# Altium PCB FMC_ADC_130M_16B_4CH.PcbDoc (part 2 of 8)
Units mil, origin at the board's own origin, x right, y up, seen from the top; angles counter-clockwise.
Board outline 3023 x 2716.54 mil, 8 copper layers (Top Layer, GND1, L3, GND2, L5, GND3, POWER, Bottom Layer), stack 52.323 mil thick; 406 components, 449 nets, 2146 pads, 1659 vias.
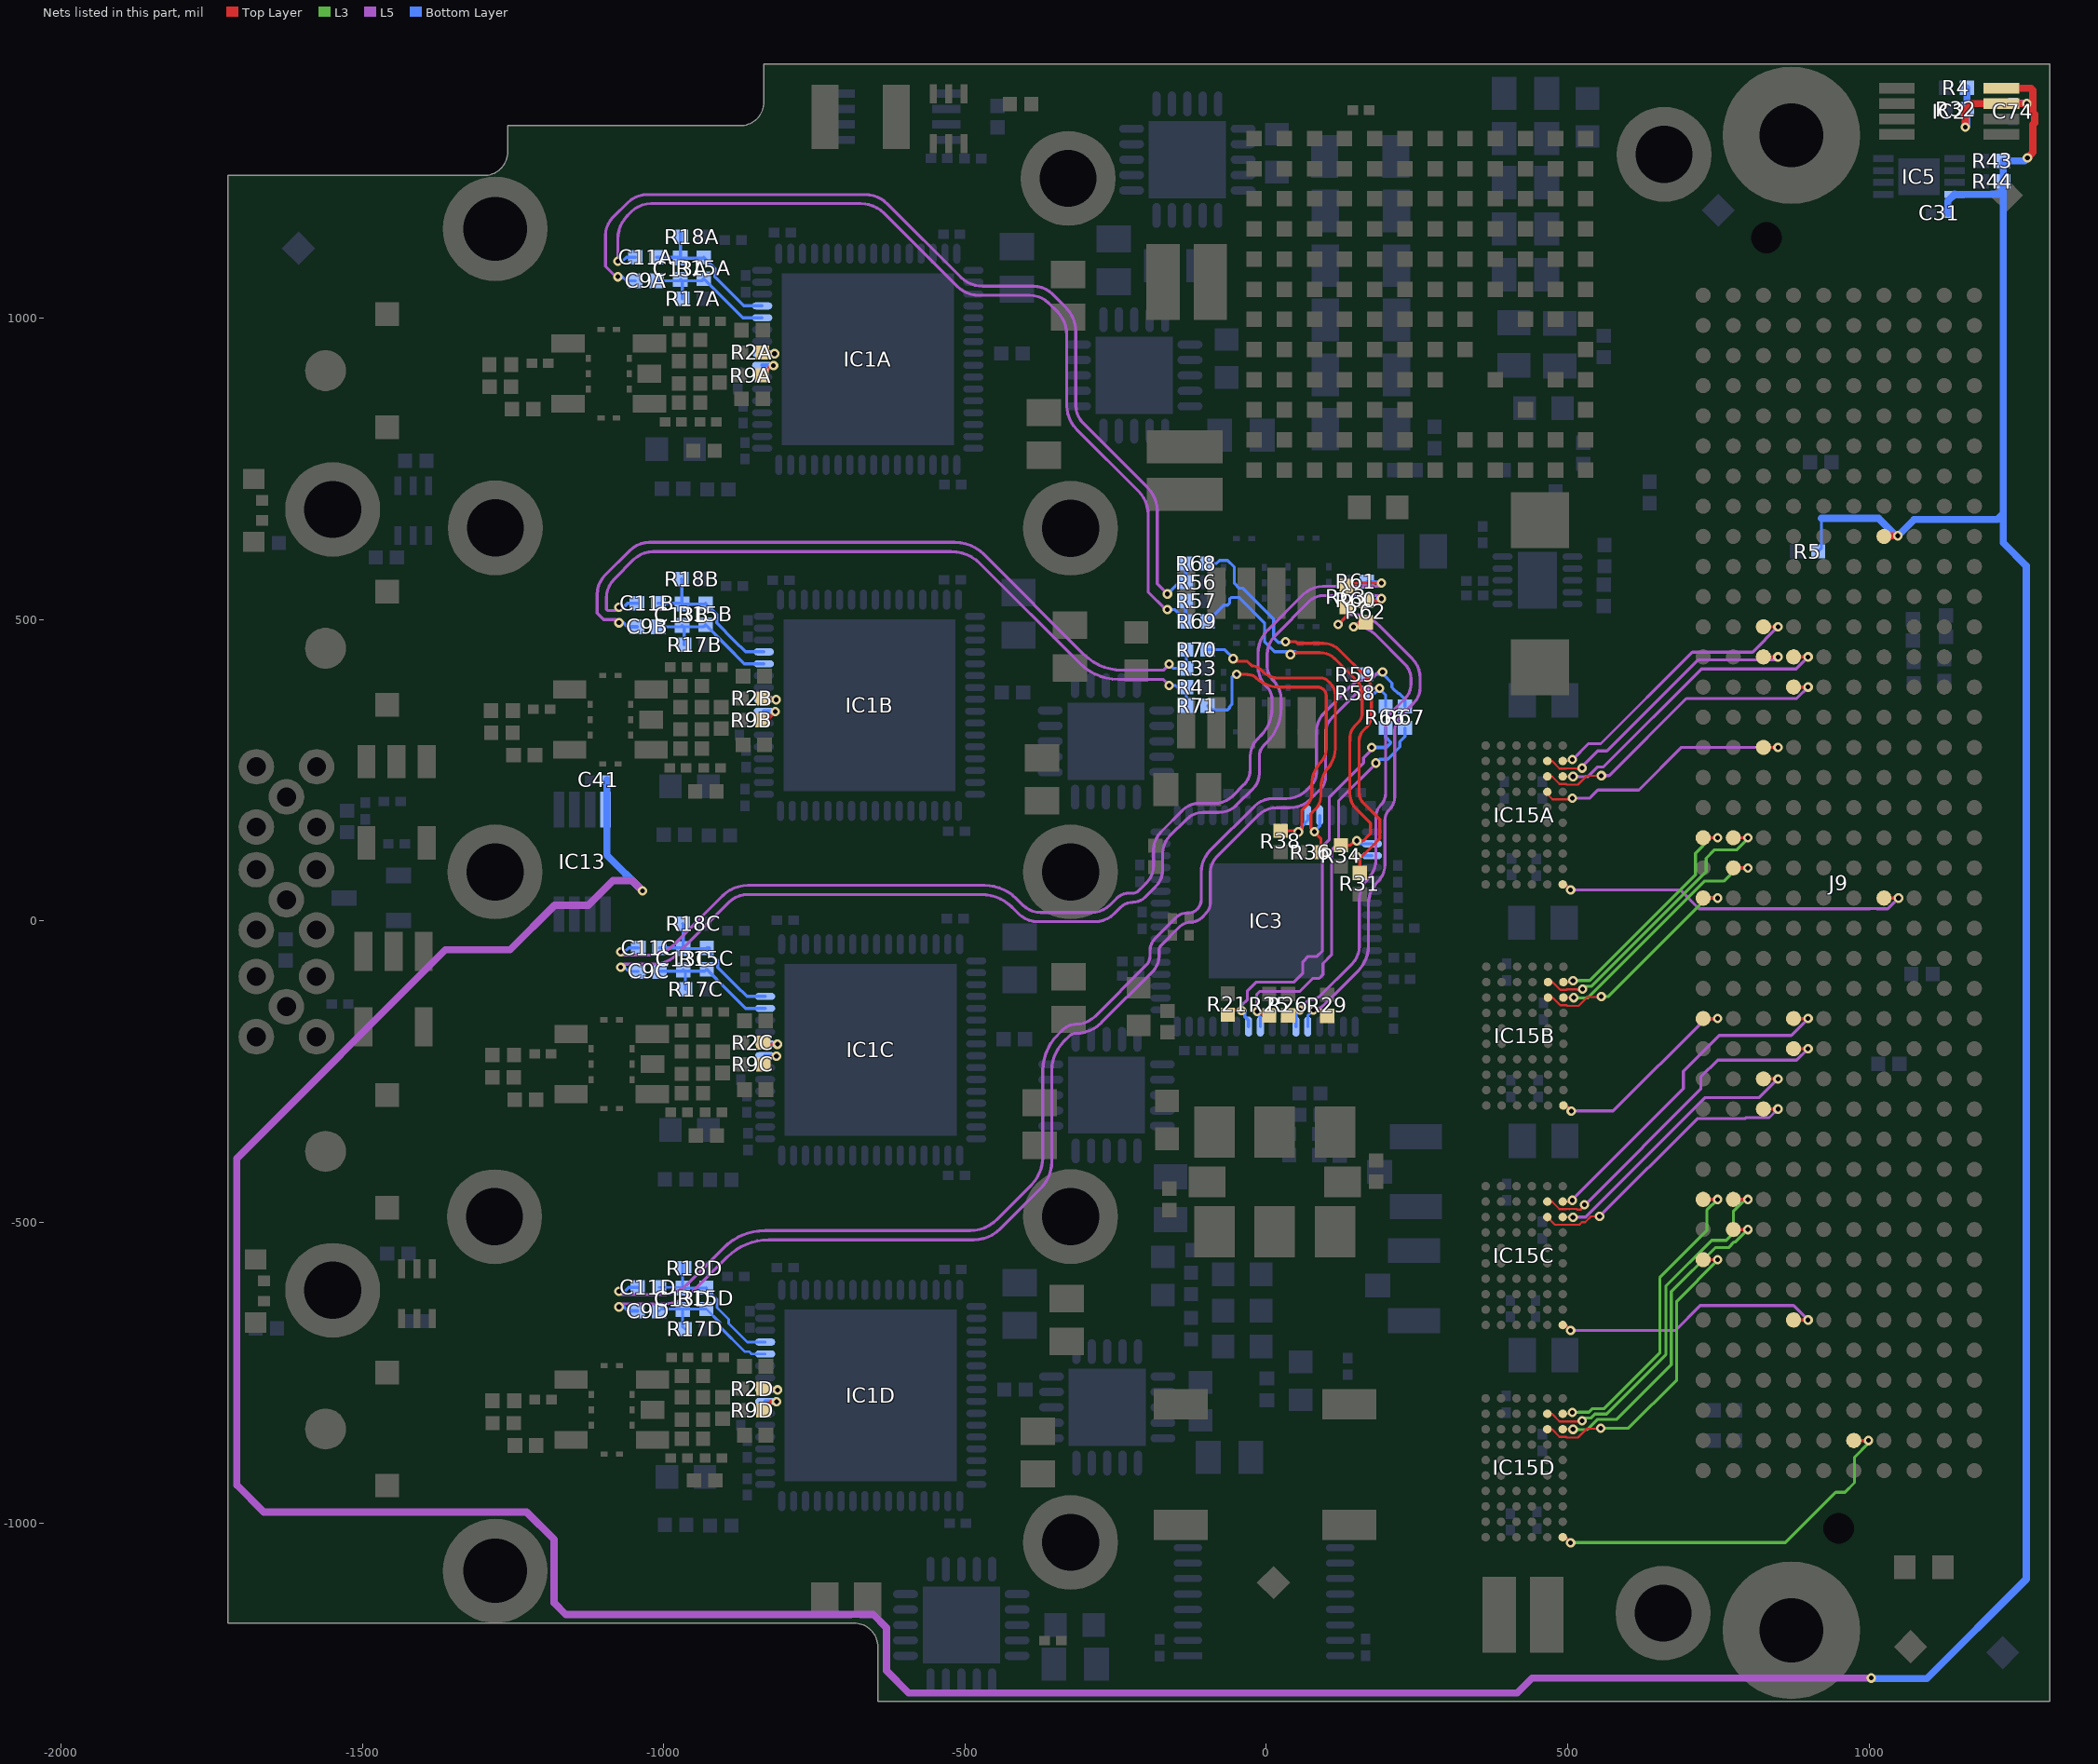
[diagram p8: the nets of this part, all layers, seen from the top]

## Footprints (in the part's own frame and the unit in brackets; to place one, negate y for a bottom-side part, rotate by r counter-clockwise, add the part's x,y. Pads: shape width x height; smd on the part's side, far side on the other; paste and mask are expansions set on the pad) (continued)
QFN50P900X900X100-65N-S485 [mm] "QFN, 0.50mm Pitch, Square; 64 Pin, 9.00mm L X 9.00mm W X 1.00mm H Body (4.85 X 4.85mm Thermal Tab), IPC Medium Density"
  oval 0.85x0.3 smd mask+0.05: 1(4.45,-3.75) 2(4.45,-3.25) 3(4.45,-2.75) 4(4.45,-2.25) 5(4.45,-1.75) 6(4.45,-1.25) 7(4.45,-0.75) 8(4.45,-0.25) 9(4.45,0.25) 10(4.45,0.75) 11(4.45,1.25) 12(4.45,1.75) 13(4.45,2.25) 14(4.45,2.75) 15(4.45,3.25) 16(4.45,3.75) 33(-4.45,3.75) 34(-4.45,3.25) 35(-4.45,2.75) 36(-4.45,2.25) 37(-4.45,1.75) 38(-4.45,1.25) 39(-4.45,0.75) 40(-4.45,0.25) 41(-4.45,-0.25) 42(-4.45,-0.75) 43(-4.45,-1.25) 44(-4.45,-1.75) 45(-4.45,-2.25) 46(-4.45,-2.75) 47(-4.45,-3.25) 48(-4.45,-3.75)
  oval 0.3x0.85 smd mask+0.05: 17(3.75,4.45) 18(3.25,4.45) 19(2.75,4.45) 20(2.25,4.45) 21(1.75,4.45) 22(1.25,4.45) 23(0.75,4.45) 24(0.25,4.45) 25(-0.25,4.45) 26(-0.75,4.45) 27(-1.25,4.45) 28(-1.75,4.45) 29(-2.25,4.45) 30(-2.75,4.45) 31(-3.25,4.45) 32(-3.75,4.45) 49(-3.75,-4.45) 50(-3.25,-4.45) 51(-2.75,-4.45) 52(-2.25,-4.45) 53(-1.75,-4.45) 54(-1.25,-4.45) 55(-0.75,-4.45) 56(-0.25,-4.45) 57(0.25,-4.45) 58(0.75,-4.45) 59(1.25,-4.45) 60(1.75,-4.45) 61(2.25,-4.45) 62(2.75,-4.45) 63(3.25,-4.45) 64(3.75,-4.45)
  rect 4.85x4.85 smd mask+0.05: 65(0,0)
  silkscreen extent -4.5,-4.5 5.57,4.5, body extent -4.5,-4.5 4.5,4.5, height 1
QFN65P500X500X100-21N-S325 [mm] "QFN, 0.65mm pitch,square; 20 pin, 5mm X 5mm X 1mm H body (w/thermal tab 3.25 X 3.25mm),  IPC Medium Density"
  oval 1.05x0.35 smd mask+0.05: 1(2.35,-1.3) 2(2.35,-0.65) 3(2.35,0) 4(2.35,0.65) 5(2.35,1.3) 11(-2.35,1.3) 12(-2.35,0.65) 13(-2.35,0) 14(-2.35,-0.65) 15(-2.35,-1.3)
  oval 0.35x1.05 smd mask+0.05: 6(1.3,2.35) 7(0.65,2.35) 8(0,2.35) 9(-0.65,2.35) 10(-1.3,2.35) 16(-1.3,-2.35) 17(-0.65,-2.35) 18(0,-2.35) 19(0.65,-2.35) 20(1.3,-2.35)
  rect 3.25x3.25 smd mask+0.05: 21(0,0)
  silkscreen extent -2.5,-2.5 3.57,2.5, body extent -2.58,-2.58 2.57,2.57, height 1
RESC1005X40N [mm] "Chip Resistor, EIA 0402, Metric 1005, Body 1.0x0.5mm, IPC Medium Density"
  rect 0.6x0.6 smd: 1(-0.45,0) 2(0.45,0)
  body extent -0.52,-0.27 0.53,0.28, height 0.4
RESC1608X55N [mm] "Chip Resistor, EIA 0603, Metric 1608, Body 1.6x0.8mm, IPC Medium Density"
  rect 0.9x1 smd: 1(-0.8,0) 2(0.8,0)
  silkscreen extent 0,-0.5 0,0.5, body extent -0.87,-0.47 0.88,0.48, height 0.55
RESC3225X70N [mm] "Chip Resistor, EIA 1210, Metric 3225, Body 3.2x2.5mm, IPC Medium Density"
  rect 1.15x2.7 smd: 1(-1.5,0) 2(1.5,0)
  silkscreen extent -0.55,-1.25 0.55,1.25, body extent -1.7,-1.35 1.7,1.35, height 0.7
SAMTEC_ASP-134488-01 [mm] "Connector VITA 57, 400 Male contacts in 10 row abcdefghj"
  round 1 hole 1.3 unplated mask+0.3: 1(-27.191,-3.048) 2(27.191,0)
  round 0.64 smd: a1(24.765,5.715) a2(23.495,5.715) a3(22.225,5.715) a4(20.955,5.715) a5(19.685,5.715) a6(18.415,5.715) a7(17.145,5.715) a8(15.875,5.715) a9(14.605,5.715) a10(13.335,5.715) a11(12.065,5.715) a12(10.795,5.715) a13(9.525,5.715) a14(8.255,5.715) a15(6.985,5.715) a16(5.715,5.715) a17(4.445,5.715) a18(3.175,5.715) a19(1.905,5.715) a20(0.635,5.715) a21(-0.635,5.715) a22(-1.905,5.715) a23(-3.175,5.715) a24(-4.445,5.715) a25(-5.715,5.715) a26(-6.985,5.715) a27(-8.255,5.715) a28(-9.525,5.715) a29(-10.795,5.715) a30(-12.065,5.715) a31(-13.335,5.715) a32(-14.605,5.715) a33(-15.875,5.715) a34(-17.145,5.715) a35(-18.415,5.715) a36(-19.685,5.715) a37(-20.955,5.715) a38(-22.225,5.715) a39(-23.495,5.715) a40(-24.765,5.715) b1(24.765,4.445) b2(23.495,4.445) b3(22.225,4.445) b4(20.955,4.445) b5(19.685,4.445) b6(18.415,4.445) b7(17.145,4.445) b8(15.875,4.445) b9(14.605,4.445) b10(13.335,4.445) b11(12.065,4.445) b12(10.795,4.445) b13(9.525,4.445) b14(8.255,4.445) b15(6.985,4.445) b16(5.715,4.445) b17(4.445,4.445) b18(3.175,4.445) b19(1.905,4.445) b20(0.635,4.445) b21(-0.635,4.445) b22(-1.905,4.445) b23(-3.175,4.445) b24(-4.445,4.445) b25(-5.715,4.445) b26(-6.985,4.445) b27(-8.255,4.445) b28(-9.525,4.445) b29(-10.795,4.445) b30(-12.065,4.445) b31(-13.335,4.445) b32(-14.605,4.445) b33(-15.875,4.445) b34(-17.145,4.445) b35(-18.415,4.445) b36(-19.685,4.445) b37(-20.955,4.445) b38(-22.225,4.445) b39(-23.495,4.445) b40(-24.765,4.445) c1(24.765,3.175) c2(23.495,3.175) c3(22.225,3.175) c4(20.955,3.175) c5(19.685,3.175) c6(18.415,3.175) c7(17.145,3.175) c8(15.875,3.175) c9(14.605,3.175) c10(13.335,3.175) c11(12.065,3.175) c12(10.795,3.175) c13(9.525,3.175) c14(8.255,3.175) c15(6.985,3.175) c16(5.715,3.175) c17(4.445,3.175) c18(3.175,3.175) c19(1.905,3.175) c20(0.635,3.175) c21(-0.635,3.175) c22(-1.905,3.175) c23(-3.175,3.175) c24(-4.445,3.175) c25(-5.715,3.175) c26(-6.985,3.175) c27(-8.255,3.175) c28(-9.525,3.175) c29(-10.795,3.175) c30(-12.065,3.175) c31(-13.335,3.175) c32(-14.605,3.175) c33(-15.875,3.175) c34(-17.145,3.175) c35(-18.415,3.175) c36(-19.685,3.175) c37(-20.955,3.175) c38(-22.225,3.175) c39(-23.495,3.175) c40(-24.765,3.175) d1(24.765,1.905) d2(23.495,1.905) d3(22.225,1.905) d4(20.955,1.905) d5(19.685,1.905) d6(18.415,1.905) d7(17.145,1.905) d8(15.875,1.905) d9(14.605,1.905) d10(13.335,1.905) d11(12.065,1.905) d12(10.795,1.905) d13(9.525,1.905) d14(8.255,1.905) d15(6.985,1.905) d16(5.715,1.905) d17(4.445,1.905) d18(3.175,1.905) d19(1.905,1.905) d20(0.635,1.905) d21(-0.635,1.905) d22(-1.905,1.905) d23(-3.175,1.905) d24(-4.445,1.905) d25(-5.715,1.905) d26(-6.985,1.905) d27(-8.255,1.905) d28(-9.525,1.905) d29(-10.795,1.905) d30(-12.065,1.905) d31(-13.335,1.905) d32(-14.605,1.905) d33(-15.875,1.905) d34(-17.145,1.905) d35(-18.415,1.905) d36(-19.685,1.905) d37(-20.955,1.905) d38(-22.225,1.905) d39(-23.495,1.905) d40(-24.765,1.905) e1(24.765,0.635) e2(23.495,0.635) e3(22.225,0.635) e4(20.955,0.635) e5(19.685,0.635) e6(18.415,0.635) e7(17.145,0.635) e8(15.875,0.635) e9(14.605,0.635) e10(13.335,0.635) e11(12.065,0.635) e12(10.795,0.635) e13(9.525,0.635) e14(8.255,0.635) e15(6.985,0.635) e16(5.715,0.635) e17(4.445,0.635) e18(3.175,0.635) e19(1.905,0.635) e20(0.635,0.635) e21(-0.635,0.635) e22(-1.905,0.635) e23(-3.175,0.635) e24(-4.445,0.635) e25(-5.715,0.635) e26(-6.985,0.635) e27(-8.255,0.635) e28(-9.525,0.635) e29(-10.795,0.635) e30(-12.065,0.635) e31(-13.335,0.635) e32(-14.605,0.635) e33(-15.875,0.635) e34(-17.145,0.635) e35(-18.415,0.635) e36(-19.685,0.635) e37(-20.955,0.635) e38(-22.225,0.635) e39(-23.495,0.635) e40(-24.765,0.635) f1(24.765,-0.635) f2(23.495,-0.635) f3(22.225,-0.635) f4(20.955,-0.635) f5(19.685,-0.635) f6(18.415,-0.635) f7(17.145,-0.635) f8(15.875,-0.635) f9(14.605,-0.635) f10(13.335,-0.635) f11(12.065,-0.635) f12(10.795,-0.635) f13(9.525,-0.635) f14(8.255,-0.635) f15(6.985,-0.635) f16(5.715,-0.635) f17(4.445,-0.635) f18(3.175,-0.635) f19(1.905,-0.635) f20(0.635,-0.635) f21(-0.635,-0.635) f22(-1.905,-0.635) f23(-3.175,-0.635) f24(-4.445,-0.635) f25(-5.715,-0.635) f26(-6.985,-0.635) f27(-8.255,-0.635) f28(-9.525,-0.635) f29(-10.795,-0.635) f30(-12.065,-0.635) f31(-13.335,-0.635) f32(-14.605,-0.635) f33(-15.875,-0.635) f34(-17.145,-0.635) f35(-18.415,-0.635) f36(-19.685,-0.635) f37(-20.955,-0.635) f38(-22.225,-0.635) f39(-23.495,-0.635) f40(-24.765,-0.635) g1(24.765,-1.905) g2(23.495,-1.905) g3(22.225,-1.905) g4(20.955,-1.905) g5(19.685,-1.905) g6(18.415,-1.905) g7(17.145,-1.905) g8(15.875,-1.905) g9(14.605,-1.905) g10(13.335,-1.905) g11(12.065,-1.905) g12(10.795,-1.905) g13(9.525,-1.905) g14(8.255,-1.905) g15(6.985,-1.905) g16(5.715,-1.905) g17(4.445,-1.905) g18(3.175,-1.905) g19(1.905,-1.905) g20(0.635,-1.905) g21(-0.635,-1.905) g22(-1.905,-1.905) g23(-3.175,-1.905) g24(-4.445,-1.905) g25(-5.715,-1.905) g26(-6.985,-1.905) g27(-8.255,-1.905) g28(-9.525,-1.905) g29(-10.795,-1.905) g30(-12.065,-1.905) g31(-13.335,-1.905) g32(-14.605,-1.905) g33(-15.875,-1.905) g34(-17.145,-1.905) g35(-18.415,-1.905) g36(-19.685,-1.905) g37(-20.955,-1.905) g38(-22.225,-1.905) g39(-23.495,-1.905) g40(-24.765,-1.905) h1(24.765,-3.175) h2(23.495,-3.175) h3(22.225,-3.175) h4(20.955,-3.175) h5(19.685,-3.175) h6(18.415,-3.175) h7(17.145,-3.175) h8(15.875,-3.175) h9(14.605,-3.175) h10(13.335,-3.175) h11(12.065,-3.175) h12(10.795,-3.175) h13(9.525,-3.175) h14(8.255,-3.175) h15(6.985,-3.175) h16(5.715,-3.175) h17(4.445,-3.175) h18(3.175,-3.175) h19(1.905,-3.175) h20(0.635,-3.175) h21(-0.635,-3.175) h22(-1.905,-3.175) h23(-3.175,-3.175) h24(-4.445,-3.175) h25(-5.715,-3.175) h26(-6.985,-3.175) h27(-8.255,-3.175) h28(-9.525,-3.175) h29(-10.795,-3.175) h30(-12.065,-3.175) h31(-13.335,-3.175) h32(-14.605,-3.175) h33(-15.875,-3.175) h34(-17.145,-3.175) h35(-18.415,-3.175) h36(-19.685,-3.175) h37(-20.955,-3.175) h38(-22.225,-3.175) h39(-23.495,-3.175) h40(-24.765,-3.175) j1(24.765,-4.445) j2(23.495,-4.445) j3(22.225,-4.445) j4(20.955,-4.445) j5(19.685,-4.445) j6(18.415,-4.445) j7(17.145,-4.445) j8(15.875,-4.445) j9(14.605,-4.445) j10(13.335,-4.445) j11(12.065,-4.445) j12(10.795,-4.445) j13(9.525,-4.445) j14(8.255,-4.445) j15(6.985,-4.445) j16(5.715,-4.445) j17(4.445,-4.445) j18(3.175,-4.445) j19(1.905,-4.445) j20(0.635,-4.445) j21(-0.635,-4.445) j22(-1.905,-4.445) j23(-3.175,-4.445) j24(-4.445,-4.445) j25(-5.715,-4.445) j26(-6.985,-4.445) j27(-8.255,-4.445) j28(-9.525,-4.445) j29(-10.795,-4.445) j30(-12.065,-4.445) j31(-13.335,-4.445) j32(-14.605,-4.445) j33(-15.875,-4.445) j34(-17.145,-4.445) j35(-18.415,-4.445) j36(-19.685,-4.445) j37(-20.955,-4.445) j38(-22.225,-4.445) j39(-23.495,-4.445) j40(-24.765,-4.445) k1(24.765,-5.715) k2(23.495,-5.715) k3(22.225,-5.715) k4(20.955,-5.715) k5(19.685,-5.715) k6(18.415,-5.715) k7(17.145,-5.715) k8(15.875,-5.715) k9(14.605,-5.715) k10(13.335,-5.715) k11(12.065,-5.715) k12(10.795,-5.715) k13(9.525,-5.715) k14(8.255,-5.715) k15(6.985,-5.715) k16(5.715,-5.715) k17(4.445,-5.715) k18(3.175,-5.715) k19(1.905,-5.715) k20(0.635,-5.715) k21(-0.635,-5.715) k22(-1.905,-5.715) k23(-3.175,-5.715) k24(-4.445,-5.715) k25(-5.715,-5.715) k26(-6.985,-5.715) k27(-8.255,-5.715) k28(-9.525,-5.715) k29(-10.795,-5.715) k30(-12.065,-5.715) k31(-13.335,-5.715) k32(-14.605,-5.715) k33(-15.875,-5.715) k34(-17.145,-5.715) k35(-18.415,-5.715) k36(-19.685,-5.715) k37(-20.955,-5.715) k38(-22.225,-5.715) k39(-23.495,-5.715) k40(-24.765,-5.715)
  silkscreen extent -27.89,-7.34 28.78,7.34, body extent -27.89,-7.34 28.78,7.34, height 5.61
SON50P300X200X100-9N-S175X155 [mm] "SON (DFN), 0.50mm pitch, 8 pin, 2mm X 3mm X 1.00mm H body (w/thermal tab 1.75 X 1.55mm),  IPC Medium Density"
  rect 0.85x0.3 smd: 1(-1.5,0.75) 2(-1.5,0.25) 3(-1.5,-0.25) 4(-1.5,-0.75) 5(1.5,-0.75) 6(1.5,-0.25) 7(1.5,0.25) 8(1.5,0.75)
  rect 1.75x1.55 smd: 9(0,0)
  silkscreen extent -2.52,0.63 -2.27,0.87, body extent -1.5,-1 1.5,1, height 1.02
SOP65P490X109-8N [mm] "SOP, 0.65mm pitch; 8 pin,3.00mm W X 3.00mm L X 1.09mm H bodyI, PC Medium Density"
  rect 1.5x0.45 smd: 1(-2.2,0.975) 2(-2.2,0.325) 3(-2.2,-0.325) 4(-2.2,-0.975) 5(2.2,-0.975) 6(2.2,-0.325) 7(2.2,0.325) 8(2.2,0.975)
  silkscreen extent -2.82,-1.5 1.12,1.82, body extent -2.45,-1.55 2.45,1.55, height 1.09
SOT95P240X110-3N [mm] "SOT23 3-Leads, Pitch 0.95mm - Body 1.3x2.9mm, IPC Medium Density"
  rect 1.05x0.65 smd: 1(-1.15,0.95) 2(-1.15,-0.95) 3(1.15,0)
  silkscreen extent -1.53,-1.45 0.3,1.92, body extent -1.25,-1.5 1.25,1.5, height 1.1
SOT-363 [mm]
  rect 0.3x0.8 smd: 1(0,-2.1) 2(0.65,-2.1) 3(1.3,-2.1) 4(1.3,0) 5(0.65,0) 6(0,0)
  silkscreen extent -0.76,-2.12 1.75,-0.6, body extent -0.45,-2.2 1.75,0.2, height 1.1
TSSOP-16 [mm]
  rect 1.2x0.3 smd: 1(0,0)
  oval 1.2x0.3 smd: 2(0,-0.65) 3(0,-1.3) 4(0,-1.95) 5(0,-2.6) 6(0,-3.25) 7(0,-3.9) 8(0,-4.55) 9(6.416,-4.55) 10(6.416,-3.9) 11(6.416,-3.25) 12(6.416,-2.6) 13(6.416,-1.95) 14(6.416,-1.3) 15(6.416,-0.65) 16(6.416,0)
  silkscreen extent 1.43,-4.87 4.95,0.33, body extent 0,-4.78 6.25,0.2, height 1.75
XFMR_ANAREN_BD0205F5050A00 [mm] "70MHz - 1000MHz Ultra Low Profile Sub-Miniature (Body 4.1x2.1mm) Balanced to Unbalanced Transformer"
  rect 0.3x0.22 smd: 1(-0.65,-0.86) 2(0,-0.86) 3(0.65,-0.86) 6(0.65,0.86) 7(0,0.86) 8(-0.65,0.86)
  rect 0.22x0.3 smd: 4(1.865,-0.325) 5(1.865,0.325) 9(-1.865,0.325) 10(-1.865,-0.325)
  silkscreen extent -2.1,-1.1 2.1,1.1, body extent -2.05,-1.05 2.05,1.05, height 0.91
"XFMR_MA-COM_SM-22 (H260)"#1 [mm] "MA-COM E-Serie RF 1:1 Transmission Line Ttransformer 4.5-3000MHz"
  rect 0.76x1.4 smd: 1(-1.27,1.715) 3(1.27,1.715) 4(1.27,-1.715) 5(-1.27,-1.715)
  rect 0.76x1 smd: 2(0,1.715)
  silkscreen extent -2.3,-1.3 1.91,1.73, body extent -1.9,-1.9 1.91,1.91, height 2.6
"XFMR_MA-COM_SM-22 (H260)"#2 [mm] "MA-COM E-Serie RF 1:1 Transmission Line Ttransformer 4.5-3000MHz"
  rect 0.76x1.4 smd: 1(-1.27,1.715) 2(0,1.715) 3(1.27,1.715) 4(1.27,-1.715) 5(-1.27,-1.715)
  silkscreen extent -2.3,-1.3 1.91,1.72, body extent -1.9,-1.9 1.91,1.91, height 2.6
XFMR_MINI-CIRCUITS_AT224-1 [mm] "MINI-CIRCUITS RF Transformer, Case AT224-1 - Body 3.81X3.81mm"
  rect 0.76x1.65 smd: 1(-1.27,1.59) 2(0,1.59) 3(1.27,1.59) 4(1.27,-1.59) 6(-1.27,-1.59)
  silkscreen extent -2.3,-0.37 1.91,1.72, body extent -1.9,-1.9 1.91,1.91, height 4.06
ZQL56(R-PBGA-N56) [mm] "BGA, 56-Leads, Body 7x4.5mm, Pitch 0.65mm"
  round 0.36 smd mask+0.05: A1(-1.625,2.925) A2(-0.975,2.925) A3(-0.325,2.925) A4(0.325,2.925) A5(0.975,2.925) A6(1.625,2.925) B1(-1.625,2.275) B2(-0.975,2.275) B3(-0.325,2.275) B4(0.325,2.275) B5(0.975,2.275) B6(1.625,2.275) C1(-1.625,1.625) C2(-0.975,1.625) C3(-0.325,1.625) C4(0.325,1.625) C5(0.975,1.625) C6(1.625,1.625) D1(-1.625,0.975) D2(-0.975,0.975) D3(-0.325,0.975) D4(0.325,0.975) D5(0.975,0.975) D6(1.625,0.975) E1(-1.625,0.325) E2(-0.975,0.325) E5(0.975,0.325) E6(1.625,0.325) F1(-1.625,-0.325) F2(-0.975,-0.325) F5(0.975,-0.325) F6(1.625,-0.325) G1(-1.625,-0.975) G2(-0.975,-0.975) G3(-0.325,-0.975) G4(0.325,-0.975) G5(0.975,-0.975) G6(1.625,-0.975) H1(-1.625,-1.625) H2(-0.975,-1.625) H3(-0.325,-1.625) H4(0.325,-1.625) H5(0.975,-1.625) H6(1.625,-1.625) J1(-1.625,-2.275) J2(-0.975,-2.275) J3(-0.325,-2.275) J4(0.325,-2.275) J5(0.975,-2.275) J6(1.625,-2.275) K1(-1.625,-2.925) K2(-0.975,-2.925) K3(-0.325,-2.925) K4(0.325,-2.925) K5(0.975,-2.925) K6(1.625,-2.925)
  silkscreen extent -3.13,-3.5 2.25,3.5, body extent -2.25,-3.5 2.25,3.5, height 1

## Part data
B1 B2 B3 B4: library part PLATED_HOLE3.0_PAD6.0, "Single Terminal Socket"
B5 B6 B7 B8 B9 B10 B11 B12 B13 B14 B15 B16: library part PLATED_HOLE2.4_PAD4.0, "Single Terminal Socket"
C1A C1B C1C C1D C2A C2B C2C C2D C4A C4B C4C C4D C8A C8B C8C C8D C10 C14A C14B C14C C14D C15A C15B C15C C15D C16A C16B C16C C16D C17A C17B C17C C17D C18A C18B C18C C18D C19A C19B C19C C19D C20A C20B C20C C20D C21A C21B C21C C21D C22A C22B C22C C22D C23A C23B C23C C23D C24A C24B C24C C24D C25A C25B C25C C25D C26A C26B C26C C26D C31 C37 C39 C40 C41 C42 C43 C44 C45 C46 C47 C48 C49 C50 C54 C59 C60 C61 C62 C63 C64 C65 C66 C67 C68 C69 C70 C71 C72 C74 C84 C103 C105 C106 C107 C108 C109 C110: library part CC0201_100NF_6.3V_10%_X5R, "Non-polarised capacitor"
C3A C3B C3C C3D C6A C6B C6C C6D C7A C7B C7C C7D: library part CC0402_2.2PF_50V_0.25PF_NP0, "Non-polarised capacitor"
C5A C5B C5C C5D C13A C13B C13C C13D: library part CC0402_1.5PF_50V_0.25PF_NP0, "Non-polarised capacitor"
C9A C9B C9C C9D C11A C11B C11C C11D C96: library part CC0402_100PF_50V_5%_NP0, "Non-polarised capacitor"
C12A C12B C12C C12D: library part CC0603_2.2UF_16V_10%_X5R, "Non-polarised capacitor"
C27 C32 C33 C34 C81 C82: library part CC1206_22UF_6.3V_20%_X5R, "Non-polarised capacitor"
C28 C29 C36 C38 C51 C88 C99: library part CC0805_10UF_16V_10%_X5R, "Non-polarised capacitor"
C30 C73: library part CC0603_330NF_16V_10%_X5R, "Non-polarised capacitor"
C35: library part CTE7343-31_100UF_20V_10%, "Polarised capacitor"
C52 C79 C80 C93 C94 C98 C102: library part CC0603_1UF_25V_10%_X7R, "Non-polarised capacitor"
C53: library part CC0603_4.7UF_6.3V_10%_X5R, "Non-polarised capacitor"
C55 C56: library part CC0603_1.2NF_50V_10%_X7R, "Non-polarised capacitor"
C57: library part CC0603_820PF_50V_10%_X7R, "Non-polarised capacitor"
C58: library part CC0603_27NF_25V_10%_X7R, "Non-polarised capacitor"
C75 C76 C85 C86 C95 C100: library part CC0805_10UF_10V_10%_X7R, "Non-polarised capacitor"
C77 C78 C91 C92 C97 C101: library part CC0805_47UF_6.3V_20%_X5R, "Non-polarised capacitor"
C104: library part CC0201_10NF_10V_10%_X5R, "Non-polarised capacitor"
D1: "Serial Diode"
FTG1 FTG2 FTG3 FTG4 FTG5 FTG6: library part FIDUCIAL_TARGET_S100-200, "Fiducial Target"
IC1A IC1B IC1C IC1D: library part LTC2LTC2208IUP#PBF, "16-Bit, 130Msps ADC"
IC2 IC13: "Digital Temperature Sensor and Thermal Watchdog with Two-Wire Interface"
IC3: "1.2 GHz Clock Distribution IC, PLL Core, Dividers, Delay Adjust, Eight Outputs"
IC4: "4 Way-0° 50 OHM 5 to 1000 MHz Power Splitter/Combiner"
IC5: "1.7-5.5V 64K I2C Serial EEPROM"
IC6 IC7 IC9 IC10 IC11 IC12: "Low Noise (3uVrms), 1A, High Voltage Low-Dropout Linear Regulator"
IC8: library part LTM4601, "4.5V-20V To 0.6V-5V, Iout 6A DC/DC low EMI uModule"
IC14: library part 74AVC4T245, "4-BIT DUAL-SUPPLY BUS TRANSCEIVER"
IC15A IC15B IC15C IC15D: library part 74AVC20T245, "20-BIT DUAL SUPPLY BUS TRANSCEIVER"
IC16: "High-Speed USB 2.0 (480 Mbps) 1:2 Multiplexer / Demultiplexer Switch with Single Enable, 6 ohm RON, 2.5 to 3.3V, -40 to 85 degC, 10-Pin SON (DRC), Green (RoHS & no Sb/Br)"
IC17: library part SN65LVDM176, "High Speed Differential Transceiver LVDS/LVTTL"
J1 J2 J10: library part "HUBER-SUHNER_85_MMCX-50-0-1/111 OH"
J3 J4: library part HIROSE_U.FL-R-SMT-1(10)
J5 J6 J7 J8: library part JOHNSON_142-0711-301
J9: library part SAMTEC_ASP-134488-01, "Connector VITA 57, 400 Male contacts in 10 row abcdefghj"
L1A L1B L1C L1D: library part XFMR_MA-COM_MABA-007159-000000_modified, "MA-COM E-Serie RF 1:1 Transmission Line Ttransformer 4.5-3000MHz"
L2A L2B L2C L2D L8: library part IND0402_MURATA_BLM15HB221SN1, "Inductor"
L3 L4A L4B L4C L4D L6 L7 L12 L13 L14A L14B L14C L14D: library part IND0805_MURATA_BLM21PG221SN1D, "Inductor"
L5: library part XFMR_MA-COM_MABA-007159-000000, "MA-COM E-Serie RF 1:1 Transmission Line Ttransformer 4.5-3000MHz"
L9 L10 L15: library part L_CHOKE_ELLVGG, "2.2uH, 1.4A, 92mR Panasonic"
LD1 LD2: library part LED_AVAGO_HSMF-C113, "Tricolor LEDs 1 Cathode Blue, 2 Common Anode, 3 Cathode Red, 4 Cathode Green"
OSC1: library part OSC_125MHZ_CRYSTEK_CVHD-950-100.000, "Oscillator 4 pins 1=VC 2=GND 3=OUT 4=VDD"
OSC2: library part OSC_10-280MHZ_SILICON-LAB_Si570BBC000121DG, "Any-Rate I2C Programmable XO Oscillator Si570 Serie"
Q1 Q2 Q5: library part Q_PMGD280UN, "Dual NMOS 20V,08.A, 340mR, Vt=0.7V"
R1A R1B R1C R1D R8A R8B R8C R8D: library part R0402_10R_1%_0.0625W_200PPM, "Resistor - 1%"
R2A R2B R2C R2D R9A R9B R9C R9D: library part R0402_5R6_1%_0.0625W_200PPM, "Resistor - 1%"
R3A R3B R3C R3D R6A R6B R6C R6D: library part R0402_24R_1%_0.0625W_100PPM, "Resistor - 1%"
R4 R5 R10A R10B R10C R10D R32 R43 R44 R48 R80: library part R0402_10K_1%_0.0625W_100PPM, "Resistor - 1%"
R7 R19: library part R0402_47R_1%_0.0625W_100PPM, "Resistor - 1%"
R11A R11B R11C R11D R17A R17B R17C R17D R18A R18B R18C R18D: library part R0402_51R_1%_0.0625W_100PPM, "Resistor - 1%"
R12 R21 R25 R26 R29 R30 R31 R34 R36 R38 R51 R52 R64 R65 R84 R85: library part R0402_200R_1%_0.0625W_100PPM, "Resistor - 1%"
R13A R13B R13C R13D R28: library part R0402_1K_1%_0.0625W_100PPM, "Resistor - 1%"
R14A R14B R14C R14D: library part R0402_2K_1%_0.0625W_100PPM, "Resistor - 1%"
R15A R15B R15C R15D R16A R16B R16C R16D R20 R22 R45 R75: library part R0402_100R_1%_0.0625W_100PPM, "Resistor - 1%"
R23 R24 R27 R33 R35 R37 R39 R40 R41 R42 R56 R57 R58 R59 R60 R61 R62 R63 R66 R67 R68 R69 R70 R71 R72 R73: library part R0402_0R_JUMPER, "Resistor - 1%"
R46: library part R0402_5K1_1%_0.0625W_100PPM, "Resistor - 1%"
R47: library part R0603_4K12_0.1%_0.063W_10PPM, "Resistor - 0.1%"
R49 R50: library part R0402_2K2_1%_0.0625W_100PPM, "Resistor - 1%"
R53: library part R0402_1R_1%_0.0625W_200PPM, "Resistor - 1%"
R54: library part R0402_30K_1%_0.0625W_100PPM, "Resistor - 1%"
R55: library part R0402_16K_1%_0.0625W_100PPM, "Resistor - 1%"
R74: library part R0603_4K7_1%_0.1W_100PPM, "Resistor - 1%"
R78 R79: library part R0402_100K_1%_0.0625W_100PPM, "Resistor - 1%"
R81 R82: library part R0402_150K_1%_0.0625W_100PPM, "Resistor - 1%"